# Altium PCB QCPower Rev A.PcbDoc (part 4 of 5)
Units mm, origin at the board's own origin, x right, y up, seen from the top; angles counter-clockwise.
Board outline 70 x 65 mm, 6 copper layers (Layer 1, Layer 2, Layer 3, Layer 4, Layer 5, Layer 6), stack 1.599 mm thick; 479 components, 300 nets, 1345 pads, 1188 vias.
Unrouted connection lines stored in the file: 4.
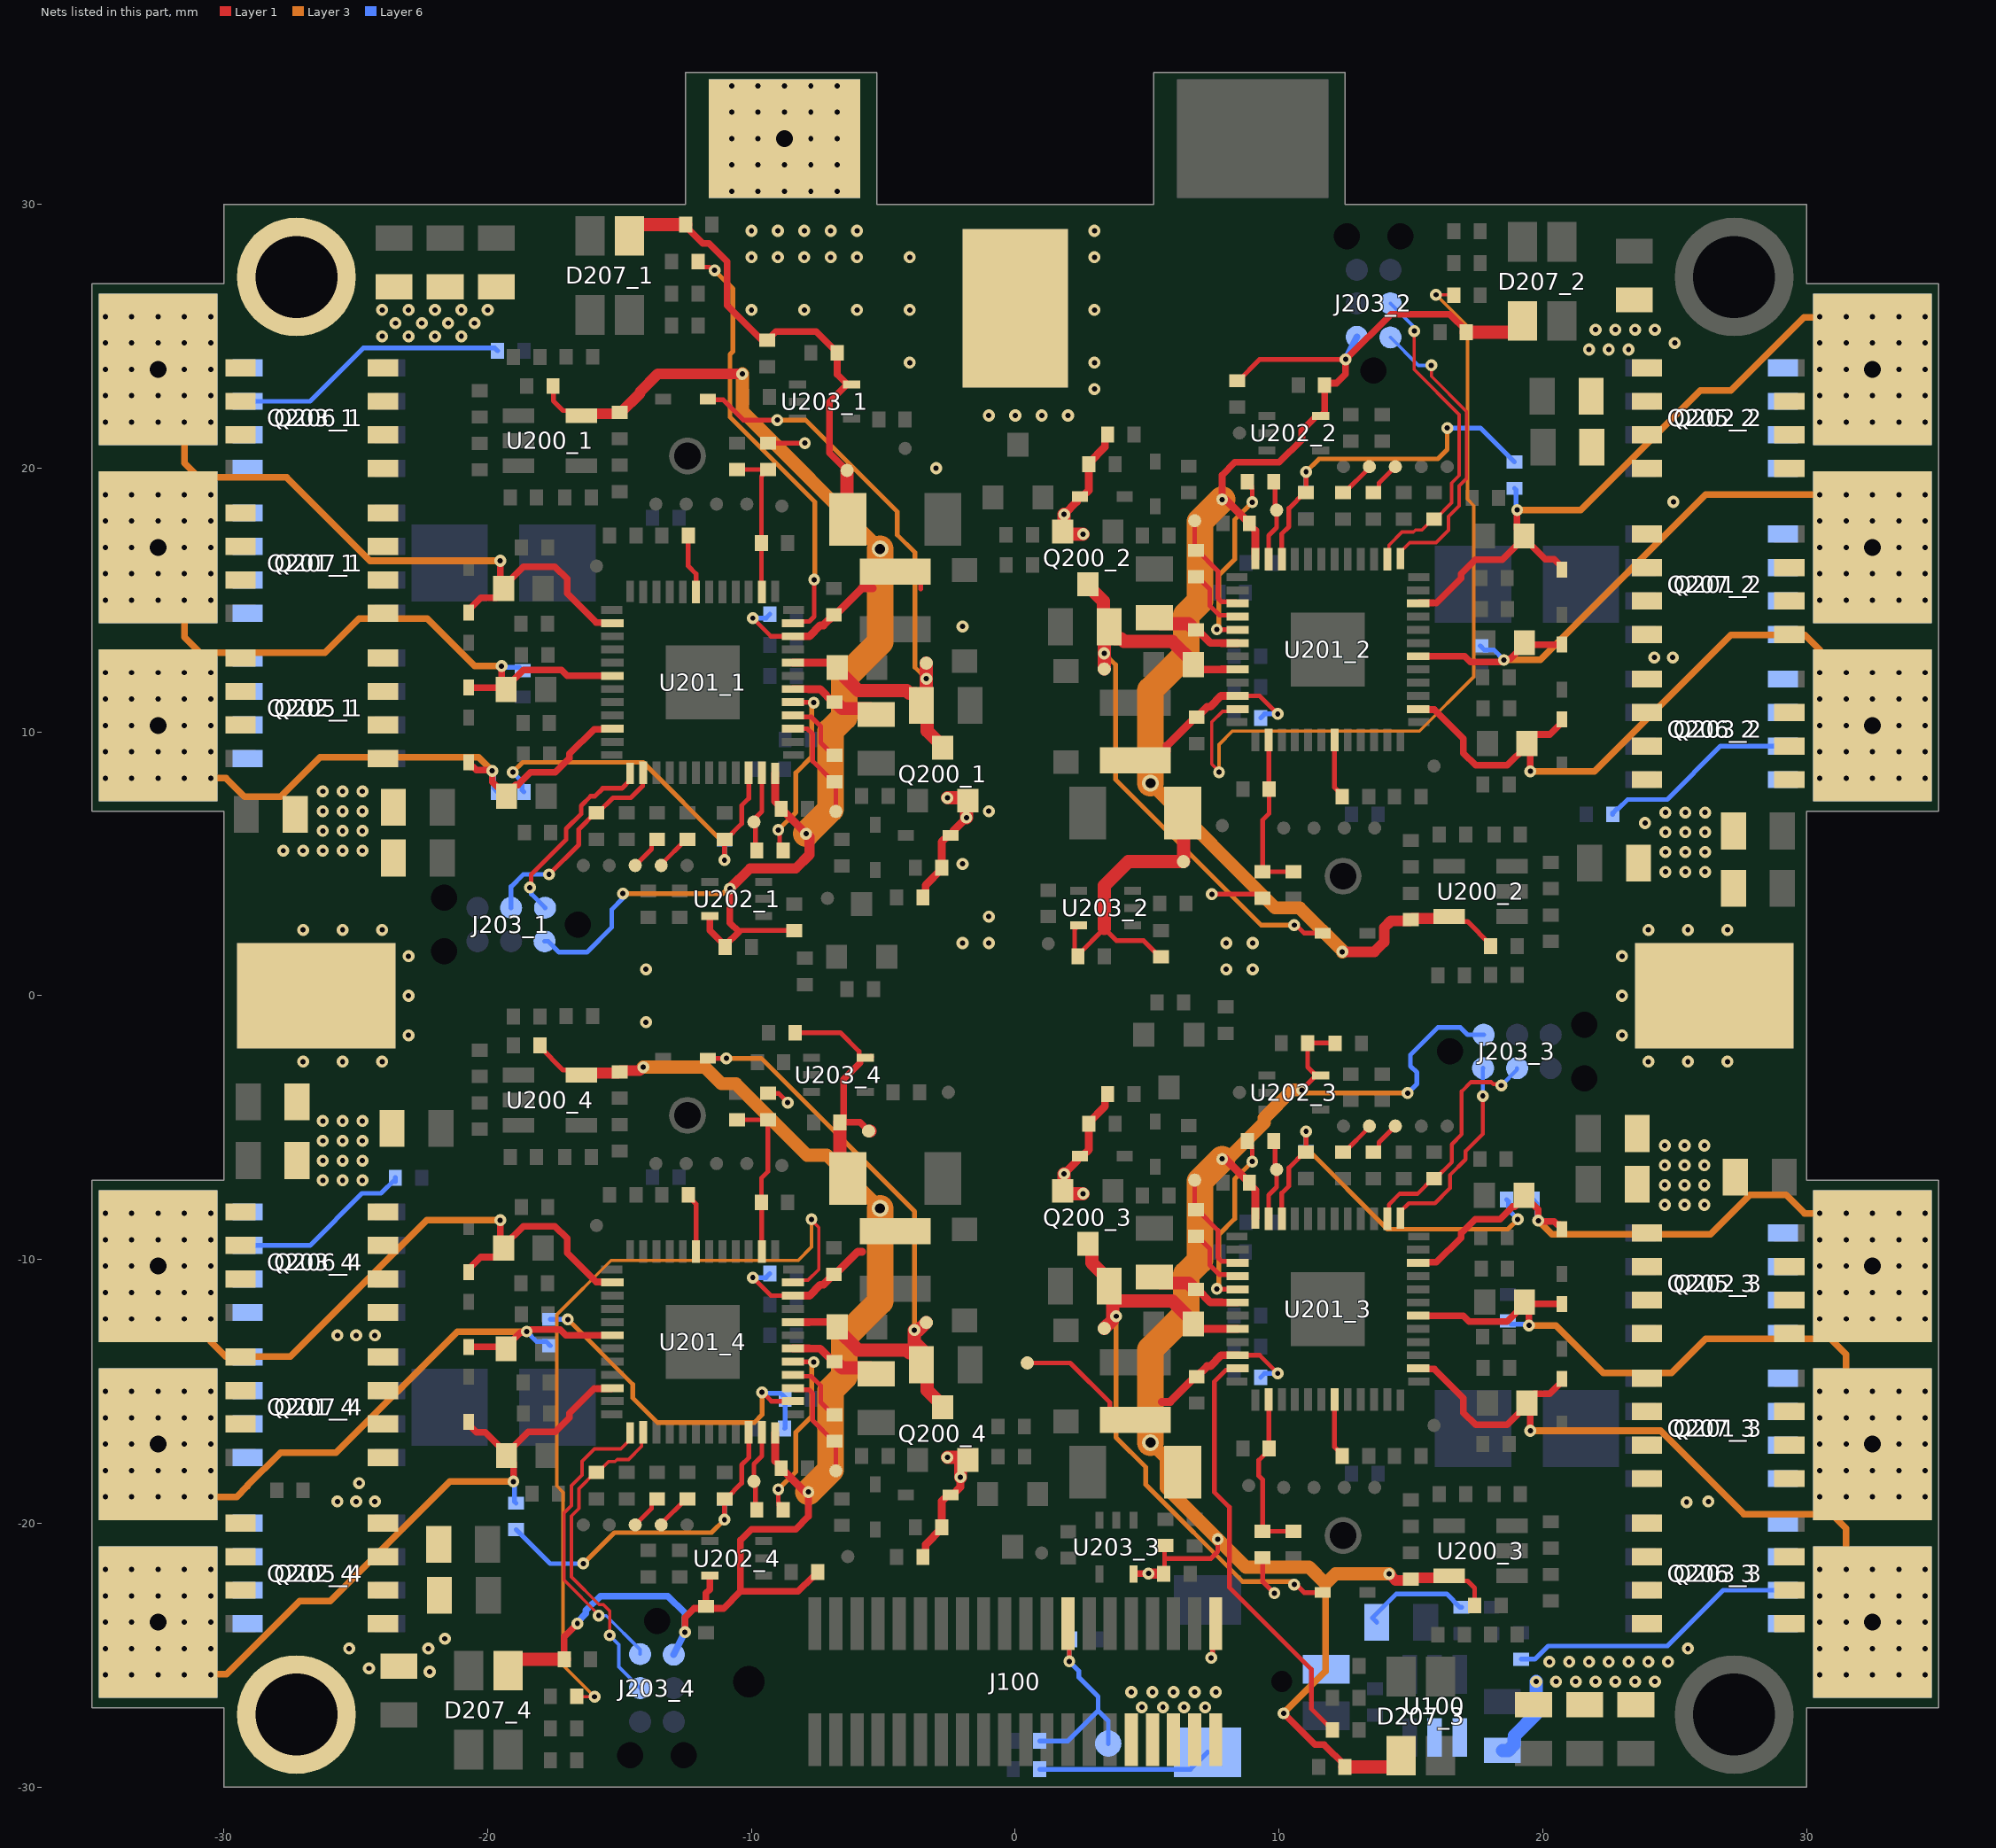
[diagram p8: the nets of this part, all layers, seen from the top]

## Via types
v1: diameter 0.457, hole 0.2, Layer 1 to Layer 6, tented both sides, 455 vias
v2: diameter 0.45, hole 0.2, Layer 1 to Layer 6, tented both sides, 379 vias
v3: diameter 0.457, hole 0.2, Layer 1 to Layer 6, 336 vias
v4: diameter 0.889, hole 0.635, Layer 1 to Layer 6, 14 vias
v5: diameter 0.635, hole 0.381, Layer 1 to Layer 6, tented both sides, 4 vias

## Nets (pads, with @x,y where several pads share a name; then routed paths per layer and width w, separated by ;. In a path a pad name is that pad's centre, name@x,y a point inside that pad or via, vN(x,y) a via of type N, cw(c..) or ccw(c..) an arc to the next point about the centre after c; other vN are vias at no path point) (continued)
OP2N_4: R213_4.2 R218_4.1 R229_4.2 U201_4.2 | length 14.4
  Layer 1 w0.178: v2(-9.6,-15.035) -9.58,-15.035 -9.242,-15.372 U201_4.2@-8.427,-15.372
  Layer 3 w0.178: v2(-16.967,-12.268) -14.5,-14.735 -14.5,-15.25 -13.57,-16.18 -9.895,-16.18 -9.6,-15.885 v2(-9.6,-15.035)
  Layer 6 w0.178: R213_4.2@-17.628,-12.268 v2(-16.967,-12.268) ; v2(-9.6,-15.035) -9.561,-15.074 -8.886,-15.074 -8.725,-15.235 -8.725,-16.385 R218_4.1@-8.75,-16.41
OP2O_1: R242_1.2 TP209_1.1 U201_1.3 | length 4.2
  Layer 1 w0.178: U201_1.3@-8.427,10.128 -7.888,10.128 -7.678,9.918 -7.678,8.893 -6.9,8.115 R242_1.2@-6.85,8.115 -6.8,8.065 TP209_1.1@-6.8,6.99
OP2O_2: R242_2.2 TP209_2.1 U201_2.3 | length 4.2
  Layer 1 w0.178: TP209_2.1@6.8,18.01 6.8,16.935 R242_2.2@6.85,16.885 6.9,16.885 7.678,16.107 7.678,15.082 7.827,14.933 8.366,14.933 U201_2.3@8.427,14.872
OP2O_3: R242_3.2 TP209_3.1 U201_3.3 | length 4.2
  Layer 1 w0.178: TP209_3.1@6.8,-6.99 6.8,-8.065 R242_3.2@6.85,-8.115 6.9,-8.115 7.678,-8.893 7.678,-9.918 7.827,-10.067 8.366,-10.067 U201_3.3@8.427,-10.128
OP2O_4: R242_4.2 TP209_4.1 U201_4.3 | length 4.2
  Layer 1 w0.178: U201_4.3@-8.427,-14.872 -8.366,-14.933 -7.827,-14.933 -7.678,-15.082 -7.678,-16.107 -6.9,-16.885 R242_4.2@-6.85,-16.885 -6.8,-16.935 TP209_4.1@-6.8,-18.01
OP3N_1: R212_1.2 R216_1.1 R228_1.2 U201_1.46 | length 15.5
  Layer 1 w0.178: v2(-11.025,5.14) -11.025,5.921 R216_1.1@-11.018,5.929 -10.968,5.929 -10.374,6.522 -10.374,7.214 -10.102,7.486 U201_1.46@-10.102,8.453
  Layer 3 w0.178: v2(-19.05,8.475) -18.675,8.85 -14.11,8.85 -11.025,5.765 v2(-11.025,5.14)
  Layer 6 w0.178: v2(-19.05,8.475) -18.702,8.127 -18.702,7.802 R212_1.2@-18.625,7.725 ; v2(-11.025,5.14) R228_1.2@-11.025,5.915
OP3N_2: R212_2.2 R216_2.1 R228_2.2 U201_2.46 | length 14.1
  Layer 1 w0.178: U201_2.46@10.102,16.547 10.102,17.514 10.374,17.786 10.374,18.478 10.968,19.071 R216_2.1@11.018,19.071 11.025,19.079 v2(11.025,19.86)
  Layer 3 w0.178: v2(11.025,19.86) 11.516,20.35 16.017,20.35 16.375,20.708 v2(16.375,21.525)
  Layer 6 w0.178: R228_2.2@11.025,19.085 v2(11.025,19.86) ; v2(16.375,21.525) 17.634,21.525 R212_2.2@18.923,20.236
OP3N_3: R212_3.2 R216_3.1 R228_3.2 U201_3.46 | length 15.5
  Layer 1 w0.178: U201_3.46@10.102,-8.453 10.102,-7.486 10.374,-7.214 10.374,-6.522 10.968,-5.929 R216_3.1@11.018,-5.929 11.025,-5.921 v2(11.025,-5.14)
  Layer 3 w0.178: v2(11.025,-5.14) 11.025,-5.765 14.11,-8.85 18.675,-8.85 v2(19.05,-8.475)
  Layer 6 w0.178: R228_3.2@11.025,-5.915 v2(11.025,-5.14) ; R212_3.2@18.625,-7.725 18.702,-7.802 18.702,-8.127 v2(19.05,-8.475)
OP3N_4: R212_4.2 R216_4.1 R228_4.2 U201_4.46 | length 13.6
  Layer 1 w0.178: v2(-11.025,-19.86) -11.025,-19.079 R216_4.1@-11.018,-19.071 -10.968,-19.071 -10.374,-18.478 -10.374,-17.786 -10.102,-17.514 U201_4.46@-10.102,-16.547
  Layer 3 w0.178: v2(-16.375,-21.525) -15.2,-20.35 -11.516,-20.35 v2(-11.025,-19.86)
  Layer 6 w0.178: R212_4.2@-18.923,-20.236 -17.634,-21.525 v2(-16.375,-21.525) ; v2(-11.025,-19.86) R228_4.2@-11.025,-19.085
OP3O_1: R241_1.2 TP201_1.1 U201_1.47 | length 3.1
  Layer 1 w0.178: R241_1.2@-9.798,5.513 -9.853,5.568 -9.853,6.535 TP201_1.1@-9.908,6.59 -9.908,6.678 -9.602,6.984 U201_1.47@-9.602,8.453
OP3O_2: R241_2.2 TP201_2.1 U201_2.47 | length 3.1
  Layer 1 w0.178: U201_2.47@9.602,16.547 9.602,17.445 9.908,17.751 TP201_2.1@9.908,18.409 9.853,18.465 9.853,19.432 R241_2.2@9.798,19.487
OP3O_3: R241_3.2 TP201_3.1 U201_3.47 | length 3.1
  Layer 1 w0.178: U201_3.47@9.602,-8.453 9.602,-7.555 9.908,-7.249 TP201_3.1@9.908,-6.59 9.853,-6.535 9.853,-5.568 R241_3.2@9.798,-5.513
OP3O_4: R241_4.2 TP201_4.1 U201_4.47 | length 3.1
  Layer 1 w0.178: R241_4.2@-9.798,-19.487 -9.853,-19.432 -9.853,-18.465 TP201_4.1@-9.908,-18.41 -9.908,-17.751 -9.602,-17.445 U201_4.47@-9.602,-16.547
OUTU_1: C214_1.2 D204_1.A J200_1.1 Q202_1.1 Q202_1.2 Q202_1.3 Q205_1.5 Q205_1.6 Q205_1.7 Q205_1.8 R212_1.1 U201_1.34 | length 20.2
  Layer 1 w0.254: D204_1.A@-20.725,8.848 -20.725,8.746 -20.652,8.672 -20.55,8.672 -20.431,8.554 -19.854,8.554 v2(-19.825,8.525) -19.825,8.107 C214_1.2@-19.286,7.568 -19.286,7.643 -18.936,7.994 -18.851,7.994 -18.379,8.465 -17.432,8.465 -16.896,9.001 -16.896,9.169 -15.961,10.105 -15.3,10.105 U201_1.34@-15.277,10.128
  Layer 3 w0.254: v3(-30.5,8.25) -29.925,8.25 -29.225,7.55 -27.85,7.55 -26.35,9.05 -20.35,9.05 v2(-19.825,8.525)
  Layer 6 w0.178: v2(-19.825,8.525) -19.773,8.473 -19.773,7.873 R212_1.1@-19.625,7.725
  other v3: -34.5,8.25 -33.5,8.25 -32.5,8.25 -31.5,8.25 -34.5,9.25 -33.5,9.25 -32.5,9.25 -31.5,9.25 -30.5,9.25 -34.5,10.25 -33.5,10.25 -31.5,10.25 -30.5,10.25 -34.5,11.25 -33.5,11.25 -32.5,11.25 -31.5,11.25 -30.5,11.25 -34.5,12.25 -33.5,12.25 -32.5,12.25 -31.5,12.25 -30.5,12.25
  other v4: -32.5,10.25
OUTU_2: C214_2.2 D204_2.A J200_2.1 Q202_2.1 Q202_2.2 Q202_2.3 Q205_2.5 Q205_2.6 Q205_2.7 Q205_2.8 R212_2.1 U201_2.34 | length 23.7
  Layer 1 w0.254: U201_2.34@15.277,14.872 15.3,14.895 15.961,14.895 16.896,15.83 16.896,15.999 17.432,16.535 18.464,16.535 C214_2.2@19.286,17.356 ; v2(19.025,18.415) 19.025,17.693 C214_2.2@19.286,17.431 C214_2.2@19.286,17.356 ; D204_2.A@20.725,16.152 20.725,16.254 20.432,16.548 20.095,16.548 C214_2.2@19.286,17.356
  Layer 3 w0.254: v2(19.025,18.415) 21.44,18.415 25.975,22.95 27.132,22.95 29.893,25.711 30.461,25.711 v3(30.5,25.75)
  Layer 6 w0.178: R212_2.1@18.923,19.236 18.987,19.172 18.987,18.452 v2(19.025,18.415)
  other v3: 30.5,21.75 31.5,21.75 32.5,21.75 33.5,21.75 34.5,21.75 30.5,22.75 31.5,22.75 32.5,22.75 33.5,22.75 34.5,22.75 30.5,23.75 31.5,23.75 33.5,23.75 34.5,23.75 30.5,24.75 31.5,24.75 32.5,24.75 33.5,24.75 34.5,24.75 31.5,25.75 32.5,25.75 33.5,25.75 34.5,25.75
  other v4: 32.5,23.75
OUTU_3: C214_3.2 D204_3.A J200_3.1 Q202_3.1 Q202_3.2 Q202_3.3 Q205_3.5 Q205_3.6 Q205_3.7 Q205_3.8 R212_3.1 U201_3.34 | length 20.2
  Layer 1 w0.254: U201_3.34@15.277,-10.128 15.3,-10.105 15.961,-10.105 16.896,-9.169 16.896,-9.001 17.432,-8.465 18.379,-8.465 18.851,-7.994 18.936,-7.994 19.286,-7.643 C214_3.2@19.286,-7.568 19.825,-8.107 v2(19.825,-8.525) 19.854,-8.554 20.431,-8.554 20.55,-8.672 20.652,-8.672 20.725,-8.746 D204_3.A@20.725,-8.848
  Layer 3 w0.254: v2(19.825,-8.525) 20.35,-9.05 26.35,-9.05 27.85,-7.55 29.225,-7.55 29.925,-8.25 v3(30.5,-8.25)
  Layer 6 w0.178: R212_3.1@19.625,-7.725 19.773,-7.873 19.773,-8.473 v2(19.825,-8.525)
  other v3: 30.5,-12.25 31.5,-12.25 32.5,-12.25 33.5,-12.25 34.5,-12.25 30.5,-11.25 31.5,-11.25 32.5,-11.25 33.5,-11.25 34.5,-11.25 30.5,-10.25 31.5,-10.25 33.5,-10.25 34.5,-10.25 30.5,-9.25 31.5,-9.25 32.5,-9.25 33.5,-9.25 34.5,-9.25 31.5,-8.25 32.5,-8.25 33.5,-8.25 34.5,-8.25
  other v4: 32.5,-10.25
OUTU_4: C214_4.2 D204_4.A J200_4.1 Q202_4.1 Q202_4.2 Q202_4.3 Q205_4.5 Q205_4.6 Q205_4.7 Q205_4.8 R212_4.1 U201_4.34 | length 23.7
  Layer 1 w0.254: D204_4.A@-20.725,-16.152 -20.725,-16.254 -20.432,-16.548 -20.095,-16.548 C214_4.2@-19.286,-17.357 ; v2(-19.025,-18.415) -19.025,-17.693 C214_4.2@-19.286,-17.432 C214_4.2@-19.286,-17.357 ; U201_4.34@-15.277,-14.872 -15.3,-14.895 -15.961,-14.895 -16.896,-15.831 -16.896,-15.999 -17.432,-16.535 -18.464,-16.535 C214_4.2@-19.286,-17.357
  Layer 3 w0.254: v3(-30.5,-25.75) -30.461,-25.711 -29.893,-25.711 -27.132,-22.95 -25.975,-22.95 -21.44,-18.415 v2(-19.025,-18.415)
  Layer 6 w0.178: v2(-19.025,-18.415) -18.987,-18.453 -18.987,-19.172 R212_4.1@-18.923,-19.236
  other v3: -34.5,-25.75 -33.5,-25.75 -32.5,-25.75 -31.5,-25.75 -34.5,-24.75 -33.5,-24.75 -32.5,-24.75 -31.5,-24.75 -30.5,-24.75 -34.5,-23.75 -33.5,-23.75 -31.5,-23.75 -30.5,-23.75 -34.5,-22.75 -33.5,-22.75 -32.5,-22.75 -31.5,-22.75 -30.5,-22.75 -34.5,-21.75 -33.5,-21.75 -32.5,-21.75 -31.5,-21.75 -30.5,-21.75
  other v4: -32.5,-23.75
OUTV_1: C216_1.2 D202_1.A J201_1.1 Q201_1.1 Q201_1.2 Q201_1.3 Q207_1.5 Q207_1.6 Q207_1.7 Q207_1.8 R213_1.1 U201_1.30 | length 22.6
  Layer 1 w0.254: D202_1.A@-20.725,11.685 C216_1.2@-19.372,11.685 ; v2(-19.475,12.5) -19.475,11.788 C216_1.2@-19.372,11.685 ; U201_1.30@-15.277,12.128 -16.992,12.128 -17.21,12.345 -18.65,12.345 -19.304,11.692 C216_1.2@-19.304,11.617 C216_1.2@-19.372,11.685
  Layer 3 w0.254: v3(-31.5,15) -31.5,13.6 -30.9,13 -26.175,13 -24.875,14.3 -22.3,14.3 -20.5,12.5 v2(-19.475,12.5)
  Layer 6 w0.178: v2(-19.475,12.5) -19.423,12.448 -18.798,12.448 R213_1.1@-18.675,12.325
  other v3: -34.5,15 -33.5,15 -32.5,15 -30.5,15 -34.5,16 -33.5,16 -32.5,16 -31.5,16 -30.5,16 -34.5,17 -33.5,17 -31.5,17 -30.5,17 -34.5,18 -33.5,18 -32.5,18 -31.5,18 -30.5,18 -34.5,19 -33.5,19 -32.5,19 -31.5,19 -30.5,19
  other v4: -32.5,17
OUTV_2: C216_2.2 D202_2.A J201_2.1 Q201_2.1 Q201_2.2 Q201_2.3 Q207_2.5 Q207_2.6 Q207_2.7 Q207_2.8 R213_2.1 U201_2.30 | length 21.6
  Layer 1 w0.254: U201_2.30@15.277,12.872 17.044,12.872 17.261,12.654 18.395,12.654 18.47,12.73 v2(18.524,12.73) 18.561,12.768 18.763,12.768 19.304,13.308 C216_2.2@19.304,13.383 ; C216_2.2@19.31,13.315 D202_2.A@20.725,13.315
  Layer 3 w0.254: v2(18.524,12.73) 19.905,12.73 26.175,19 v3(30.5,19)
  Layer 6 w0.178: R213_2.1@17.628,13.268 17.789,13.107 18.147,13.107 v2(18.524,12.73)
  other v3: 30.5,15 31.5,15 32.5,15 33.5,15 34.5,15 30.5,16 31.5,16 32.5,16 33.5,16 34.5,16 30.5,17 31.5,17 33.5,17 34.5,17 30.5,18 31.5,18 32.5,18 33.5,18 34.5,18 31.5,19 32.5,19 33.5,19 34.5,19
  other v4: 32.5,17
OUTV_3: C216_3.2 D202_3.A J201_3.1 Q201_3.1 Q201_3.2 Q201_3.3 Q207_3.5 Q207_3.6 Q207_3.7 Q207_3.8 R213_3.1 U201_3.30 | length 22.6
  Layer 1 w0.254: U201_3.30@15.277,-12.128 16.992,-12.128 17.21,-12.345 18.65,-12.345 19.304,-11.692 C216_3.2@19.304,-11.617 C216_3.2@19.372,-11.685 ; v2(19.475,-12.5) 19.475,-11.788 C216_3.2@19.372,-11.685 ; D202_3.A@20.725,-11.685 C216_3.2@19.372,-11.685
  Layer 3 w0.254: v2(19.475,-12.5) 20.5,-12.5 22.3,-14.3 24.875,-14.3 26.175,-13 30.9,-13 31.5,-13.6 v3(31.5,-15)
  Layer 6 w0.178: R213_3.1@18.675,-12.325 18.798,-12.448 19.423,-12.448 v2(19.475,-12.5)
  other v3: 30.5,-19 31.5,-19 32.5,-19 33.5,-19 34.5,-19 30.5,-18 31.5,-18 32.5,-18 33.5,-18 34.5,-18 30.5,-17 31.5,-17 33.5,-17 34.5,-17 30.5,-16 31.5,-16 32.5,-16 33.5,-16 34.5,-16 30.5,-15 32.5,-15 33.5,-15 34.5,-15
  other v4: 32.5,-17
OUTV_4: C216_4.2 D202_4.A J201_4.1 Q201_4.1 Q201_4.2 Q201_4.3 Q207_4.5 Q207_4.6 Q207_4.7 Q207_4.8 R213_4.1 U201_4.30 | length 21.6
  Layer 1 w0.254: D202_4.A@-20.725,-13.315 C216_4.2@-19.31,-13.315 ; C216_4.2@-19.304,-13.383 -19.304,-13.308 -18.763,-12.768 -18.561,-12.768 v2(-18.523,-12.73) -18.47,-12.73 -18.395,-12.655 -17.261,-12.655 -17.044,-12.872 U201_4.30@-15.277,-12.872
  Layer 3 w0.254: v3(-30.5,-19) -29.52,-19 -29.119,-18.599 -29.119,-18.589 -27.855,-17.325 -25.75,-17.325 -21.155,-12.73 v2(-18.523,-12.73)
  Layer 6 w0.178: v2(-18.523,-12.73) -18.147,-13.107 -17.789,-13.107 R213_4.1@-17.628,-13.268
  other v3: -34.5,-19 -33.5,-19 -32.5,-19 -31.5,-19 -34.5,-18 -33.5,-18 -32.5,-18 -31.5,-18 -30.5,-18 -34.5,-17 -33.5,-17 -31.5,-17 -30.5,-17 -34.5,-16 -33.5,-16 -32.5,-16 -31.5,-16 -30.5,-16 -34.5,-15 -33.5,-15 -32.5,-15 -31.5,-15 -30.5,-15
  other v4: -32.5,-17
OUTW_1: C220_1.2 D205_1.A J202_1.1 Q203_1.1 Q203_1.2 Q203_1.3 Q206_1.5 Q206_1.6 Q206_1.7 Q206_1.8 R214_1.1 U201_1.26 | length 34
  Layer 1 w0.254: D205_1.A@-20.725,14.523 -20.725,14.625 -20.257,15.092 -19.673,15.092 -19.4,15.365 C220_1.2@-19.4,15.44 ; v1(-19.525,16.49) -19.525,15.565 C220_1.2@-19.4,15.44 ; U201_1.26@-15.277,14.128 -15.3,14.151 -15.886,14.151 -16.988,15.253 -16.988,15.803 -17.45,16.265 -18.65,16.265 -19.4,15.515 C220_1.2@-19.4,15.44
  Layer 3 w0.254: v3(-31.5,21.75) -31.5,20.2 -30.95,19.65 -27.625,19.65 -24.465,16.49 v1(-19.525,16.49)
  Layer 6 w0.178: Q206_1.7@-29.1,22.535 -26.74,22.535 -25.075,24.2 -24.719,24.556 -19.731,24.556 R214_1.1@-19.625,24.45
  other v3: -34.5,21.75 -33.5,21.75 -32.5,21.75 -30.5,21.75 -34.5,22.75 -33.5,22.75 -32.5,22.75 -31.5,22.75 -30.5,22.75 -34.5,23.75 -33.5,23.75 -31.5,23.75 -30.5,23.75 -34.5,24.75 -33.5,24.75 -32.5,24.75 -31.5,24.75 -30.5,24.75 -34.5,25.75 -33.5,25.75 -32.5,25.75 -31.5,25.75 -30.5,25.75
  other v4: -32.5,23.75
OUTW_2: C220_2.2 D205_2.A J202_2.1 Q203_2.1 Q203_2.2 Q203_2.3 Q206_2.5 Q206_2.6 Q206_2.7 Q206_2.8 R214_2.1 U201_2.26 | length 33.1
  Layer 1 w0.254: U201_2.26@15.277,10.872 15.3,10.849 15.886,10.849 16.988,9.747 16.988,9.197 17.45,8.735 18.65,8.735 19.4,9.484 C220_2.2@19.4,9.559 ; v1(19.525,8.51) 19.525,9.434 C220_2.2@19.4,9.559 ; D205_2.A@20.725,10.477 20.725,10.375 20.257,9.907 19.673,9.907 19.4,9.634 C220_2.2@19.4,9.559
  Layer 3 w0.254: v1(19.525,8.51) 21.96,8.51 27.125,13.675 29.925,13.675 30.5,13.1 v3(30.5,12.25) 31.05,12.25 31.5,11.8 v3(31.5,11.25) v3(31.5,10.25)
  Layer 6 w0.178: R214_2.1@22.65,6.875 22.65,6.925 22.811,7.086 22.861,7.086 23.217,7.442 24.717,7.442 26.74,9.465 Q206_2.7@29.1,9.465
  other v3: 30.5,8.25 31.5,8.25 32.5,8.25 33.5,8.25 34.5,8.25 30.5,9.25 31.5,9.25 32.5,9.25 33.5,9.25 34.5,9.25 30.5,10.25 33.5,10.25 34.5,10.25 30.5,11.25 32.5,11.25 33.5,11.25 34.5,11.25 31.5,12.25 32.5,12.25 33.5,12.25 34.5,12.25
  other v4: 32.5,10.25
OUTW_3: C220_3.2 D205_3.A J202_3.1 Q203_3.1 Q203_3.2 Q203_3.3 Q206_3.5 Q206_3.6 Q206_3.7 Q206_3.8 R214_3.1 U201_3.26 | length 34.7
  Layer 1 w0.254: U201_3.26@15.277,-14.128 15.3,-14.151 15.886,-14.151 16.988,-15.253 16.988,-15.803 17.45,-16.265 18.65,-16.265 19.4,-15.515 C220_3.2@19.4,-15.44 ; v1(19.525,-16.49) 19.525,-15.565 C220_3.2@19.4,-15.44 ; D205_3.A@20.725,-14.523 20.725,-14.625 20.257,-15.092 19.673,-15.092 19.4,-15.365 C220_3.2@19.4,-15.44
  Layer 3 w0.254: v1(19.525,-16.49) 24.465,-16.49 27.625,-19.65 30.95,-19.65 31.5,-20.2 v3(31.5,-21.75)
  Layer 6 w0.178: R214_3.1@19.175,-25.15 19.701,-25.15 20.201,-24.65 24.725,-24.65 26.84,-22.535 Q206_3.7@29.1,-22.535
  other v3: 30.5,-25.75 31.5,-25.75 32.5,-25.75 33.5,-25.75 34.5,-25.75 30.5,-24.75 31.5,-24.75 32.5,-24.75 33.5,-24.75 34.5,-24.75 30.5,-23.75 31.5,-23.75 33.5,-23.75 34.5,-23.75 30.5,-22.75 31.5,-22.75 32.5,-22.75 33.5,-22.75 34.5,-22.75 30.5,-21.75 32.5,-21.75 33.5,-21.75 34.5,-21.75
  other v4: 32.5,-23.75
OUTW_4: C220_4.2 D205_4.A J202_4.1 Q203_4.1 Q203_4.2 Q203_4.3 Q206_4.5 Q206_4.6 Q206_4.7 Q206_4.8 R214_4.1 U201_4.26 | length 32.3
  Layer 1 w0.254: D205_4.A@-20.725,-10.477 -20.725,-10.375 -20.257,-9.908 -19.673,-9.908 -19.4,-9.635 C220_4.2@-19.4,-9.56 ; v1(-19.525,-8.51) -19.525,-9.435 C220_4.2@-19.4,-9.56 ; U201_4.26@-15.277,-10.872 -15.3,-10.849 -15.886,-10.849 -16.988,-9.747 -16.988,-9.197 -17.45,-8.735 -18.65,-8.735 -19.4,-9.485 C220_4.2@-19.4,-9.56
  Layer 3 w0.254: v3(-31.5,-10.25) v3(-31.5,-11.25) -31.5,-11.8 -31.05,-12.25 v3(-30.5,-12.25) -30.5,-13.1 -29.925,-13.675 -27.475,-13.675 -22.31,-8.51 v1(-19.525,-8.51)
  Layer 6 w0.178: Q206_4.7@-29.1,-9.465 -26.74,-9.465 -24.768,-7.493 -24.045,-7.493 -23.5,-6.948 R214_4.1@-23.5,-6.898 ; R214_4.1@-23.5,-7.05 R214_4.1@-23.5,-7
  other v3: -34.5,-12.25 -33.5,-12.25 -32.5,-12.25 -31.5,-12.25 -34.5,-11.25 -33.5,-11.25 -32.5,-11.25 -30.5,-11.25 -34.5,-10.25 -33.5,-10.25 -30.5,-10.25 -34.5,-9.25 -33.5,-9.25 -32.5,-9.25 -31.5,-9.25 -30.5,-9.25 -34.5,-8.25 -33.5,-8.25 -32.5,-8.25 -31.5,-8.25 -30.5,-8.25
  other v4: -32.5,-10.25
RED_1: R236_1.2 U201_1.11 | length 16.5
  Layer 1 w0.178: R236_1.2@-12.025,27.835 -12.025,27.785 -11.864,27.624 -11.597,27.624 -11.474,27.5 v2(-11.4,27.5) ; U201_1.11@-8.427,14.128 -8.366,14.189 -7.811,14.189 -7.625,14.375 v2(-7.625,15.775)
  Layer 3 w0.178: v2(-11.4,27.5) -10.702,26.802 -10.702,24.428 -10.816,24.315 -10.816,21.941 -7.597,18.722 -7.597,15.803 v2(-7.625,15.775)
RED_2: R236_2.2 U201_2.11 | length 30.7
  Layer 1 w0.127: v2(7.725,8.475) 7.725,8.513 7.45,8.788 7.45,10.375 7.861,10.785 8.341,10.785 U201_2.11@8.427,10.872 ; v2(15.95,26.575) 16.607,26.575 R236_2.2@16.625,26.557
  Layer 3 w0.127: v2(7.725,8.475) 7.725,9.525 8.233,10.033 15.322,10.033 17.385,12.095 17.385,18.58 17.142,18.823 17.142,25.383 v2(15.95,26.575)
RED_3: R236_3.2 U201_3.11 | length 16.1
  Layer 1 w0.178: U201_3.11@8.427,-14.128 8.366,-14.189 7.986,-14.189 7.548,-14.627 7.548,-18.821 8.118,-19.392 8.118,-22.431 11.225,-25.538 11.225,-27.035 R236_3.2@12.025,-27.835
RED_4: R236_4.2 U201_4.11 | length 30.7
  Layer 1 w0.127: R236_4.2@-16.625,-26.557 -16.607,-26.575 v2(-15.95,-26.575) ; U201_4.11@-8.427,-10.872 -8.341,-10.786 -7.861,-10.786 -7.45,-10.375 -7.45,-8.788 -7.725,-8.513 v2(-7.725,-8.475)
  Layer 3 w0.127: v2(-15.95,-26.575) -17.142,-25.383 -17.142,-18.823 -17.385,-18.58 -17.385,-12.095 -15.322,-10.033 -8.233,-10.033 -7.725,-9.525 v2(-7.725,-8.475)
SWDCLK_1: J203_1.4 R219_1.2 U201_1.38 | length 8.2
  Layer 1 w0.178: v2(-17.675,4.6) -16.544,5.731 -16.544,6.313 -15.929,6.929 R219_1.2@-15.879,6.929 -15.829,6.929 -15.251,7.507 -14.574,7.507 -14.125,7.956 -14.125,8.43 U201_1.38@-14.102,8.453
  Layer 6 w0.178: J203_1.4@-19.115,3.336 -19.115,4.135 -18.65,4.6 v2(-17.675,4.6)
SWDCLK_2: J203_2.4 R219_2.2 U201_2.38 | length 12.4
  Layer 1 w0.127: U201_2.38@14.102,16.547 14.163,16.608 14.163,17.083 14.66,17.58 15.091,17.58 15.17,17.658 15.416,17.658 R219_2.2@15.829,18.071 ; v2(15.125,25.2) 15.125,23.737 16.825,22.037 16.825,19.721 16.544,19.44 16.544,18.687 R219_2.2@15.929,18.071
  Layer 1 w0.178: R219_2.2@15.829,18.071 R219_2.2@15.929,18.071
  Layer 6 w0.127: J203_2.4@14.22,26.25 15.125,25.345 v2(15.125,25.2)
SWDCLK_3: J203_3.4 R219_3.2 U201_3.38 | length 9.1
  Layer 1 w0.152: U201_3.38@14.102,-8.453 14.163,-8.392 14.163,-7.917 14.574,-7.507 15.251,-7.507 R219_3.2@15.829,-6.929 ; R219_3.2@15.929,-6.929 16.544,-6.313 16.544,-5.631 16.925,-5.25 16.925,-3.625 17.275,-3.275 18.05,-3.275 18.123,-3.348 18.373,-3.348 v2(18.425,-3.4)
  Layer 1 w0.178: R219_3.2@15.829,-6.929 R219_3.2@15.929,-6.929
  Layer 6 w0.152: v2(18.425,-3.4) 19.025,-2.8 J203_3.4@19.025,-2.745
SWDCLK_4: J203_4.4 R219_4.2 U201_4.38 | length 12.5
  Layer 1 w0.127: R219_4.2@-15.929,-18.071 -16.544,-18.687 -16.544,-19.44 -16.825,-19.721 -16.825,-22.037 -15.779,-23.083 -15.621,-23.083 -15.375,-23.329 v2(-15.375,-24.25) ; R219_4.2@-15.829,-18.071 -15.416,-17.658 -15.17,-17.658 -15.091,-17.58 -14.66,-17.58 -14.163,-17.083 -14.163,-16.608 U201_4.38@-14.102,-16.547
  Layer 1 w0.178: R219_4.2@-15.929,-18.071 R219_4.2@-15.829,-18.071
  Layer 6 w0.127: v2(-15.375,-24.25) -15.027,-24.598 -15.027,-25.443 J203_4.4@-14.22,-26.25
SWDIO_1: J203_1.2 U201_1.37 | length 7.4
  Layer 1 w0.178: v2(-18.4,4.1) -18.354,4.146 -18.354,4.592 -17.025,5.921 -17.025,6.325 -16.457,6.893 -16.457,7.206 -16.097,7.566 -15.937,7.566 -15.64,7.863 -14.918,7.863 -14.602,8.178 U201_1.37@-14.602,8.428
  Layer 6 w0.178: v2(-18.4,4.1) -18.348,4.048 -18.348,3.859 J203_1.2@-17.825,3.336
SWDIO_2: J203_2.2 U201_2.37 | length 11.5
  Layer 1 w0.127: U201_2.37@14.602,16.572 14.602,16.822 14.956,17.176 15.951,17.176 16.425,17.65 16.425,18.172 16.824,18.571 16.824,19.324 17.1,19.6 17.1,22.157 15.775,23.482 v2(15.775,23.9)
  Layer 6 w0.127: J203_2.2@14.22,24.96 15.28,23.9 v2(15.775,23.9)
SWDIO_3: J203_3.2 U201_3.37 | length 7.6
  Layer 1 w0.152: U201_3.37@14.602,-8.428 14.602,-8.178 14.918,-7.863 15.64,-7.863 15.912,-7.863 16.475,-7.3 16.475,-6.8 17.072,-6.203 17.072,-5.893 17.725,-5.239 v2(17.725,-3.8)
  Layer 6 w0.152: v2@17.73,-3.795 J203_3.2@17.73,-2.75
  Layer 6 w0.178: v2(17.725,-3.8) v2@17.73,-3.795 ; J203_3.2@17.73,-2.75 J203_3.2@17.735,-2.745
SWDIO_4: J203_4.2 U201_4.37 | length 11.4
  Layer 1 w0.127: v2(-15.794,-23.501) -15.775,-23.482 -17.1,-22.157 -17.1,-19.6 -16.824,-19.324 -16.824,-18.571 -16.425,-18.172 -16.425,-17.65 -15.951,-17.176 -14.956,-17.176 -14.602,-16.822 U201_4.37@-14.602,-16.572
  Layer 6 w0.127: v2(-15.794,-23.501) -15.507,-23.501 -14.22,-24.788 J203_4.2@-14.22,-24.96
V3_3D: C102.1 C103.1 J100.1 J100.3 J100.5 J100.7 J100.9 L100.2 R100.1 R104.1 | length 10.8
  Layer 6 w0.178: R104.1@0.925,-29.325 6.641,-29.325 C102.1@7.29,-28.677 ; C103.1@13.705,-23.749 13.541,-23.584 14.45,-22.675 16.357,-22.675 16.866,-23.185 R100.1@16.916,-23.184
  other v1: 4.8,-26.975 5.6,-26.975 6.4,-26.975 7.2,-26.975 4.4,-26.4 5.2,-26.4 6,-26.4 6.8,-26.4 7.6,-26.4
VBAT: C100.1 C107.1 C108.1 C109.1 C201_1.1 C201_2.1 C201_3.1 C201_4.1 C202_1.1 C202_2.1 C202_3.1 C202_4.1 C203_1.1 C203_2.1 C203_3.1 C203_4.1 C204_1.1 C204_2.1 C204_3.1 C204_4.1 C205_1.1 C205_2.1 C205_3.1 C205_4.1 C206_1.1 C206_2.1 C206_3.1 C206_4.1 D200_1.K D200_2.K D200_3.K D200_4.K J100.2 J101.1 pad.S@-27.25,27.25 pad.S@-27.25,-27.25 Q200_1.2 Q200_2.2 Q200_3.2 Q200_4.2 Q201_1.5 Q201_1.6 Q201_1.7 Q201_1.8 Q201_2.5 Q201_2.6 Q201_2.7 Q201_2.8 Q201_3.5 Q201_3.6 Q201_3.7 Q201_3.8 Q201_4.5 Q201_4.6 Q201_4.7 Q201_4.8 Q202_1.5 Q202_1.6 Q202_1.7 Q202_1.8 Q202_2.5 Q202_2.6 Q202_2.7 Q202_2.8 Q202_3.5 Q202_3.6 Q202_3.7 Q202_3.8 Q202_4.5 Q202_4.6 Q202_4.7 Q202_4.8 Q203_1.5 Q203_1.6 Q203_1.7 Q203_1.8 Q203_2.5 Q203_2.6 Q203_2.7 Q203_2.8 Q203_3.5 Q203_3.6 Q203_3.7 Q203_3.8 Q203_4.5 Q203_4.6 Q203_4.7 Q203_4.8 R200_1.1 R200_2.1 R200_3.1 R200_4.1 R201_1.1 R201_2.1 R201_3.1 R201_4.1 R233_1.1 R233_2.1 R233_3.1 R233_4.1 U100.4 U100.5 | length 31.9